# Altium PCB 0.PCB1.PcbDoc (part 11 of 12)
Units mm, origin at the board's own origin, x right, y up, seen from the top; angles counter-clockwise.
Board outline 77 x 72 mm, 6 copper layers (Top Layer, Layer 1, Layer 3, Layer 4, Layer 2, Bottom Layer), stack 1.538 mm thick; 570 components, 490 nets, 3331 pads, 1909 vias.
Unrouted connection lines stored in the file: 2.
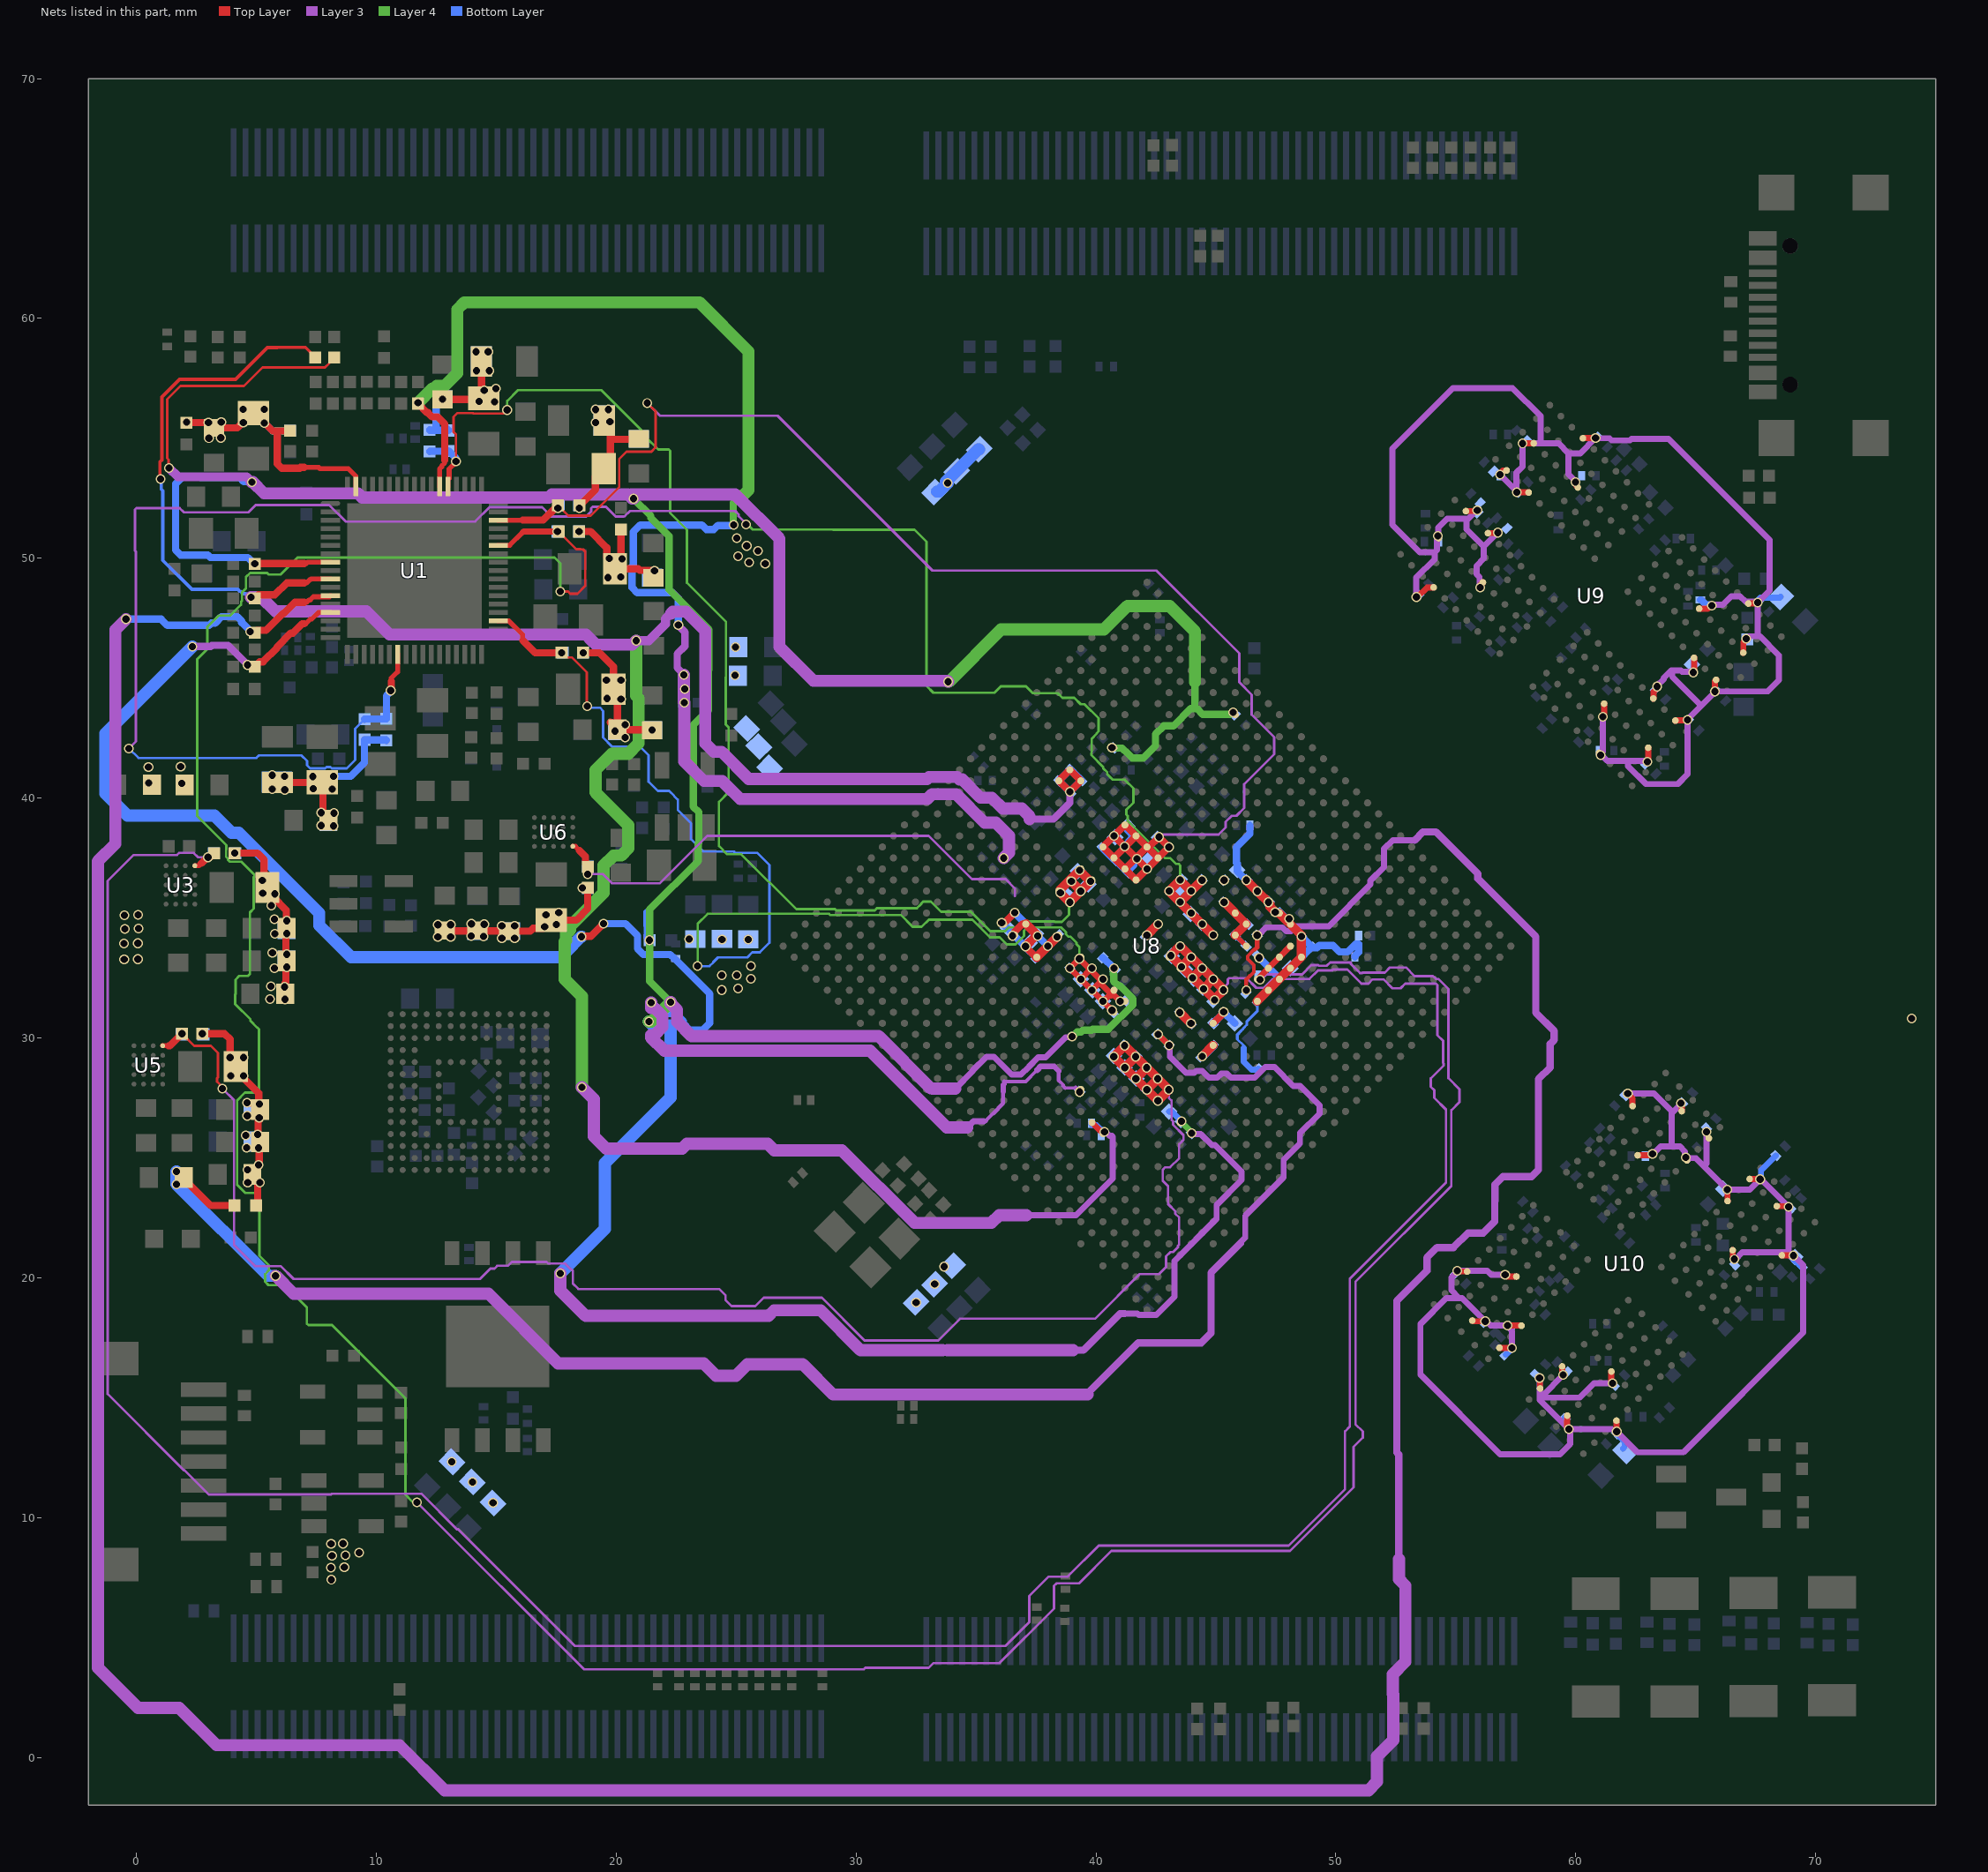
[diagram p15: the nets of this part, all layers, seen from the top]

## Via types
v1: diameter 0.41, hole 0.3, Top Layer to Bottom Layer, tented both sides, 1901 vias
v2: diameter 0.41, hole 0.3, Top Layer to Bottom Layer, 8 vias

## Nets (pads, with @x,y where several pads share a name; then routed paths per layer and width w, separated by ;. In a path a pad name is that pad's centre, name@x,y a point inside that pad or via, vN(x,y) a via of type N, cw(c..) or ccw(c..) an arc to the next point about the centre after c; other vN are vias at no path point) (continued)
VDD_0V75_S0: C36.2 C177.2 C178.2 C222.2 C239.2 C278.2 C279.2 C285.2 C286.2 R65.2 U1.8 U8.AD3 U8.AH10 U8.G24 U8.H24 U8.V20 | length 188.2
  Top Layer w0.102: v1(1.359,53.757) 1.34,53.776 1.34,54.107 1.282,54.165 1.282,56.627 1.836,57.181 4.487,57.181 5.26,57.954 7.859,57.954 8.05,58.145 8.05,58.175 8.181,58.306 R65.2@8.211,58.306
  Top Layer w0.203: 6.993,49.782 7.093,49.782 7.149,49.839 U1.8@8.09,49.839
  Top Layer w0.305: v1(4.936,49.768) 5.019,49.768 5.033,49.782 6.993,49.782
  Layer 3 w0.254: 33.181,27.908 33.199,27.89 ; 34.142,27.89 34.868,28.615 34.868,28.648 35.431,29.212 35.744,29.212 36.49,28.466 36.876,28.466 37.2,28.791 37.2,28.795 37.595,29.189 37.908,29.189 38.747,30.028 v1@38.917,30.028 ; 41.201,18.507 41.731,18.507 41.79,18.448 42.513,18.448 43.271,19.206 43.271,20.696 45.03,22.455 45.03,23.034 46.066,24.07 46.066,24.421 44.965,25.523 44.84,25.523 44.368,25.995 44.025,25.995 v1(43.995,26.025)
  Layer 3 w0.305: 33.109,27.908 33.181,27.908 ; 33.606,16.979 33.814,16.979 ; 39.054,16.979 39.48,16.979 41.007,18.507 41.201,18.507
  Layer 3 w0.381: v1(1.359,53.757) 1.367,53.757 1.727,53.396 4.594,53.396 4.812,53.178 v1(4.82,53.178)
  Layer 3 w0.508: v1(4.82,53.178) 4.848,53.178 5.321,52.705 9.242,52.705 9.413,52.535 17.197,52.535 17.32,52.658 20.491,52.658 20.666,52.483 v1(20.727,52.483) ; v1(17.672,20.181) 17.672,19.465 18.727,18.41 26.349,18.41 26.583,18.644 28.521,18.644 30.185,16.979 33.606,16.979 ; v1@20.647,52.66 24.959,52.66 26.806,50.812 26.806,46.302 28.219,44.89 33.797,44.89 v1(33.837,44.849) ; v1(22.275,31.484) 22.275,31.429 22.539,31.166 22.539,30.674 23.141,30.071 30.945,30.071 33.109,27.908 ; 33.199,27.89 34.142,27.89 ; 33.814,16.979 33.845,16.979 33.851,16.973 34.436,16.973 34.443,16.979 39.054,16.979
  Layer 4 w0.254: v1(43.565,26.522) 43.565,26.488 43.995,26.058 v1(43.995,26.025)
  Layer 4 w0.305: v1(20.727,52.483) 21.439,51.771 21.439,51.687 22.207,50.92 22.207,48.69 23.869,47.027 23.869,45.352 23.839,45.322 23.839,43.659 23.215,43.035 23.215,39.646 23.448,39.413 23.448,38.125 23.421,38.098 23.421,37.384 21.392,35.355 v1(21.392,34.075) 21.392,32.367 v1(22.275,31.484) ; v1@38.981,30.106 v1@38.996,30.092 ; v1(39.002,30.057) 39.03,30.057 39.222,30.249 39.387,30.249 39.456,30.318 39.821,30.318 39.865,30.361 40.52,30.361 41.538,31.379 41.538,31.631 40.987,32.182 40.919,32.182 40.74,32.361 40.74,32.628 40.728,32.64 v1@40.728,32.85 ; v1(40.673,42.1) 40.689,42.084 41.092,42.084 41.339,41.837 41.505,41.671 41.984,41.671 42.486,42.172 42.486,42.667 42.828,43.009 43.229,43.009 43.954,43.734 44.207,43.734 44.452,43.489 45.6,43.489 45.687,43.576 v1(45.715,43.576) ; 44.132,43.848 44.132,44.831
  Layer 4 w0.508: v1(21.368,30.681) 21.472,30.681 v1(22.275,31.484) ; v1(33.837,44.849) 33.869,44.849 36.045,47.026 40.334,47.026 41.312,48.004 43.068,48.004 44.132,46.94 44.132,44.831
  Bottom Layer w0.254: C286.2@43.05,26.931 43.156,26.931 v1(43.565,26.522)
  Bottom Layer w0.305: v1(4.82,53.178) 4.8,53.198 4.474,53.198 4.316,53.355 2.67,53.355 2.629,53.396 1.925,53.396 1.633,53.104 1.633,50.339 1.838,50.133 2.977,50.133 3.082,50.029 4.646,50.029 4.907,49.768 v1(4.936,49.768) ; 21.284,35.238 21.284,34.687 21.294,34.677 21.294,34.173 v1(21.392,34.075) ; C177.2@40.288,33.339 40.298,33.349 40.301,33.349 v1(40.749,32.901)
  Bottom Layer w0.508: v1(17.672,20.181) 19.527,22.036 19.527,24.773 22.268,27.515 22.268,30.517 21.533,30.517 v1(21.368,30.681)
VDD_0V75_S3: C21.2 C181.2 C182.2 U1.14 U8.P27 | length 73.3
  Top Layer w0.203: 6.993,47.27 7.065,47.27 7.261,47.466 7.313,47.466 7.586,47.739 U1.14@8.09,47.739
  Top Layer w0.305: v1(4.636,45.551) 4.664,45.524 4.984,45.524 5.143,45.683 5.284,45.683 5.862,46.261 5.862,46.301 6.44,46.879 6.524,46.879 6.914,47.27 6.993,47.27 ; v1(18.561,34.221) 18.581,34.241 18.954,34.241 v1(19.473,34.76)
  Layer 3 w0.142: 35.422,26.556 35.716,26.849 ; 36.174,28.177 37.071,28.177 37.546,28.652 ; 38.452,28.222 38.635,28.04 38.635,27.995 ; 38.718,27.912 39.152,27.912
  Layer 3 w0.158: 38.635,27.995 38.718,27.912
  Layer 3 w0.163: 38.452,28.222 38.452,28.613
  Layer 3 w0.17: 36.174,28.075 36.174,28.177
  Layer 3 w0.173: 35.331,26.523 35.389,26.523 35.422,26.556 ; 35.716,26.849 36.133,27.267 36.133,27.76
  Layer 3 w0.198: 39.152,27.912 v1(39.32,27.744)
  Layer 3 w0.211: 38.252,28.814 38.452,28.613
  Layer 3 w0.213: 36.133,27.76 36.138,27.765 36.138,28.039 36.174,28.075
  Layer 3 w0.254: 34.64,26.266 34.896,26.523 35.331,26.523 ; 37.546,28.652 37.708,28.814 38.252,28.814
  Layer 3 w0.305: v1(2.33,46.315) 2.336,46.321 3.097,46.321 3.145,46.369 3.824,46.369 4.636,45.557 v1(4.636,45.551)
  Layer 3 w0.508: v1(21.46,31.471) 21.45,31.461 21.45,31.242 21.601,31.242 21.929,30.913 21.929,30.449 21.601,30.12 21.45,30.12 21.45,30.021 22.008,29.462 30.586,29.462 33.781,26.266 34.64,26.266
  Bottom Layer w0.305: v1(19.473,34.76) 20.387,34.76 20.888,34.26 20.888,33.72 21.13,33.478 22.255,33.478 22.427,33.306 23.901,31.832 23.901,30.618 23.602,30.319 23.085,30.319 22.804,30.6 22.804,30.7 22.479,31.025 21.935,31.025 21.488,31.471 v1(21.46,31.471) ; v1(39.32,27.744) 39.375,27.744 C181.2@39.375,27.799
  Bottom Layer w0.508: v1(2.33,46.315) -1.29,42.695 -1.29,40.187 -0.378,39.274 3.248,39.274 3.969,38.552 4.273,38.552 7.622,35.203 7.622,34.694 8.953,33.363 17.683,33.363 17.922,33.603 18.54,34.221 v1(18.561,34.221)
VDD_CPU_BIG0_S0: C71.1 C71.2 C72.2 C73.2 C74.2 C75.2 C76.2 C113.2 C114.2 C115.2 C116.2 C117.2 C118.2 C119.2 C120.2 C121.2 C123.2 C124.2 L11.2 R20.1 R20.2 U3.A4 U8.M16 U8.M17 U8.M19 U8.N16 U8.N17 U8.N19 U8.P16 U8.P17 U8.R16 U8.R17 U8.T16 U8.T17 | length 136.3
  Top Layer w0.203: U3.A4@2.437,37.176 2.602,37.176 2.711,37.284
  Top Layer w0.305: 2.711,37.284 2.956,37.529 v1(2.984,37.529) 3.004,37.549 3.09,37.549 R20.2@3.244,37.703 ; v1(4.094,37.703) 5.047,37.703 5.327,37.424 5.327,36.636 v1(5.251,36.56) ; v1(5.625,35.517) L11.2@5.625,35.969 ; v1(5.778,36.005) 5.778,35.972 5.69,35.884 6.252,35.323 6.252,34.887 C75.2@6.255,34.884 ; v1(6.171,32.126) 6.171,31.868 C73.2@6.204,31.836 C73.2@6.204,32.175 ; C73.2@6.192,32.175 6.192,32.287 6.23,32.325 C74.2@6.23,32.953 ; v1(6.272,32.953) C74.2@6.23,32.953 ; v1(6.272,33.487) C74.2@6.23,33.487 ; v1(6.272,34.884) C75.2@6.255,34.884 ; v1(6.275,34.35) C75.2@6.23,34.35 ; C74.2@6.23,32.953 C74.2@6.23,33.487 ; C74.2@6.23,33.487 C75.2@6.23,34.35 ; C75.2@6.23,34.35 6.23,34.553 C75.2@6.255,34.579 C75.2@6.255,34.884
  Top Layer w0.381: v1(43.5,31.055) 43.954,30.602 v1(43.966,30.602) ; v1(43.571,32.963) 43.571,32.967 U8.R17@43.578,32.974 ; v1(44.03,32.504) U8.P17@44.04,32.513 ; v1(44.431,32.908) v1(43.972,33.368) ; v1(44.49,32.044) 44.49,32.048 U8.N17@44.498,32.055 ; v1(44.891,32.448) v1(44.431,32.908) 44.223,32.7 44.223,32.696 U8.P17@44.04,32.513 ; v1(44.946,31.581) U8.M17@44.946,31.606 ; U8.R17@43.578,32.974 U8.P17@44.04,32.513 ; U8.R17@43.578,32.974 v1(43.972,33.368) ; U8.R17@43.578,32.974 v1(43.12,33.432) 43.12,33.435 v1(43.512,33.827) v1(43.972,33.368) ; U8.P17@44.04,32.513 U8.N17@44.497,32.055 ; U8.N17@44.498,32.055 U8.M17@44.946,31.606 ; U8.N17@44.498,32.055 v1(44.891,32.448) 45.321,32.019 v1(45.321,31.993) 44.946,31.618 U8.M17@44.946,31.606
  Layer 3 w0.102: v1(2.984,37.529) 2.571,37.529 2.387,37.713 1.779,37.713 1.692,37.625 -0.12,37.625 -1.197,36.548 -1.197,15.151 1.975,11.979 1.998,11.979 3.012,10.966 8.122,10.966 8.15,10.993 11.541,10.993 11.543,10.995 11.839,10.995 11.841,10.993 11.875,10.993 13.359,9.509 13.416,9.509 18.279,4.646 36.232,4.646 37.226,5.64 37.226,6.735 38.028,7.537 38.821,7.537 40.118,8.834 48.032,8.834 50.385,11.187 50.385,13.599 50.584,13.798 50.584,19.959 54.595,23.97 54.595,27.013 54.103,27.504 54.103,27.821 53.962,27.963 53.962,28.314 54.49,28.842 54.49,28.937 54.475,28.953 54.475,29.881 54.238,30.117 54.238,32.206 54.179,32.266 52.895,32.266 52.699,32.07 52.354,32.07 51.985,32.439 51.538,32.439 51.363,32.263 51.066,32.263 50.482,32.847 49.886,32.847 49.855,32.817 49.259,32.817 48.902,32.459 47.383,32.459 47.01,32.086 46.687,32.086 46.278,32.495 45.563,32.495 45.503,32.435 45.503,32.259 v1@45.317,32.073
  other v1: 14.865,10.612 14.008,11.48 13.15,12.324 5.567,31.618 6.191,31.609 5.605,32.149 5.757,32.901 -0.511,33.273 0.063,33.285 5.669,33.549 -0.514,33.932 0.06,33.944 5.775,34.339 -0.486,34.544 0.088,34.556 5.755,34.953 -0.504,35.116 0.07,35.128 5.269,36.027
VDD_CPU_BIG1_MEM_S0: C88.2 C144.2 C145.2 FB1.2 U8.M21 U8.N21 | length 71.9
  Top Layer w0.254: v1(42.59,30.144) 42.595,30.144 43.049,29.689 v1(43.049,29.684)
  Top Layer w0.305: C88.2@2.192,23.912 3.094,23.01 FB1.2@4.091,23.01
  Layer 3 w0.254: v1(43.049,29.684) 43.079,29.654 43.079,29.224 43.438,28.865 43.438,28.862 43.758,28.542 44.106,28.542 44.181,28.618 44.434,28.618 44.71,28.341 45.061,28.341 45.239,28.519 45.45,28.519 45.629,28.34 46.616,28.34 47.059,28.782 47.443,28.782 48.229,27.996 48.51,27.996 49.32,27.186 49.32,26.835 48.506,26.02 48.506,25.593 47.825,24.913 47.825,24.179 46.225,22.578 46.225,21.667 46.022,21.463 46.022,21.428
  Layer 3 w0.305: 39.654,15.126 39.654,15.172 41.765,17.283 44.398,17.283 44.802,17.686 44.802,20.209 46.022,21.428
  Layer 3 w0.508: v1(5.802,20.079) 6.553,19.327 14.683,19.327 17.584,16.427 23.644,16.427 24.162,15.908 24.988,15.908 25.473,16.394 27.78,16.394 29.048,15.126 39.654,15.126
  Layer 4 w0.254: v1(42.59,30.144) v1(43.049,29.684)
  Bottom Layer w0.508: v1(1.671,24.433) v1(1.671,23.899) 5.491,20.079 v1(5.802,20.079)
VDD_CPU_BIG1_S0: C82.1 C82.2 C83.2 C84.2 C85.2 C86.2 C87.2 C134.2 C135.2 C136.2 C137.2 C138.2 C139.2 C140.2 C141.2 C142.2 C143.2 FB1.1 L12.2 R24.1 R24.2 U5.A4 U8.K23 U8.K24 U8.L23 U8.L24 U8.M23 U8.M24 U8.N23 U8.N24 U8.P23 U8.P24 | length 80
  Top Layer w0.102: v1(1.899,30.173) 2.405,29.668 3.108,29.668 3.4,29.375 3.4,28.354 3.367,28.321 3.367,28.171 3.586,27.953 v1(3.586,27.884)
  Top Layer w0.203: U5.A4@1.099,29.671 1.34,29.671
  Top Layer w0.305: 1.34,29.671 1.398,29.671 v1(1.899,30.173) ; v1(2.749,30.173) 3.677,30.173 3.906,29.944 v1(3.906,29.182) ; v1(4.465,28.42) 4.492,28.393 4.492,28.304 5.098,27.698 5.098,27.269 v1(5.122,27.244) ; v1(4.614,27.297) 4.634,27.277 5.09,27.277 v1(5.122,27.244) ; FB1.1@4.991,23.01 5.052,23.071 C87.2@5.052,23.973 ; v1(5.054,25.969) C84.2@5.069,25.954 ; v1@5.09,24.731 5.115,24.756 5.115,25.391 5.092,25.413 v1(5.089,25.413) 5.089,25.62 C84.2@5.143,25.673 ; v1(5.095,24.707) 5.074,24.687 5.074,24.596 C87.2@4.834,24.356 ; v1(5.144,23.973) 5.117,23.973 4.834,24.256 C87.2@4.834,24.306 ; C84.2@5.153,25.663 5.153,25.871 C84.2@5.069,25.954 ; C87.2@4.834,24.306 C87.2@4.834,24.356 ; C87.2@4.834,24.306 C87.2@4.834,24.356 ; C84.2@5.069,25.954 5.074,25.959 5.074,26.52 5.097,26.543 5.097,26.65 5.135,26.688 5.135,27.232 v1(5.122,27.244)
  Top Layer w0.381: v1(42.12,28.759) v1(41.661,29.218) ; v1(42.58,28.299) v1(42.12,28.759) 41.663,28.301 v1(41.663,28.3) ; v1(43.04,27.839) 42.582,27.382 v1(42.582,27.38) v1(42.122,27.84) ; v1(43.04,27.839) v1(42.58,28.299) 42.122,27.841 v1(42.122,27.84) ; v1(41.203,28.759) v1(40.744,29.219) 40.744,29.22 v1(41.201,29.678) v1(41.661,29.218) ; v1(41.203,28.759) v1(41.663,28.3) ; v1(41.203,28.759) 41.203,28.761 v1(41.661,29.218) ; v1(41.663,28.3) v1(42.122,27.84)
  Layer 3 w0.102: v1(3.586,27.884) 4.073,27.397 4.073,21.362 4.95,20.485 6.014,20.485 6.552,19.947 14.327,19.947 14.758,20.378 14.926,20.378 15.045,20.497 15.487,20.497 15.651,20.661 17.101,20.661 17.174,20.588 17.878,20.588 18.12,20.346 18.136,20.346 18.196,20.286 18.196,19.754 18.421,19.529 24.298,19.529 24.556,19.271 24.556,19.075 24.814,18.817 25.798,18.817 26.149,19.167 28.572,19.167 30.354,17.385 33.43,17.385 34.336,18.291 39.966,18.291 41.824,20.149 42.632,20.149 42.928,20.445 42.928,20.889 43.108,21.07 43.218,21.07 43.421,21.273 43.421,21.334 43.469,21.382 43.469,22.507 43.311,22.665 43.311,22.769 43.007,23.074 43.007,23.82 42.786,24.041 42.786,24.499 42.892,24.605 43.09,24.605 43.47,24.985 43.47,25.574 43.652,25.756 43.652,25.944 43.218,26.378 43.218,26.523 43.151,26.589 43.151,27.393 43.04,27.505 43.04,27.773 v1@43.088,27.821
  other v1: 32.505,18.97 33.28,19.733 33.672,20.463 4.642,23.973 4.637,24.504 4.59,25.424 4.555,25.932 5.117,26.67 4.625,26.756 3.931,28.42 4.465,29.182
VDD_CPU_LIT_S0: C26.1 C26.2 C27.2 C28.2 C29.2 C30.2 C154.2 C155.2 C156.2 C157.2 C158.2 C159.2 C160.2 C168.2 C169.2 L4.2 R4.1 R4.2 U1.37 U8.T21 U8.T22 U8.U21 U8.U22 U8.V21 U8.V22 U8.W21 U8.W22 U8.Y21 U8.Y22 | length 58.4
  Top Layer w0.102: v1(17.726,46.06) 17.925,45.86 18.162,45.86 18.775,45.248 18.775,43.844 v1(18.792,43.827)
  Top Layer w0.203: U1.37@15.091,47.389 15.528,47.389 16.101,46.816 16.101,46.585 16.112,46.574
  Top Layer w0.254: v1(39.374,32.446) 39.374,32.449 U8.W21@39.769,32.843 ; v1(39.832,32.902) 39.827,32.902 U8.W21@39.769,32.843 ; v1(39.834,31.987) 39.834,31.989 U8.V21@40.188,32.343 ; v1(40.292,32.442) 40.287,32.442 U8.V21@40.188,32.343 ; v1(40.294,31.527) 40.304,31.527 40.601,31.824 40.651,31.824 40.679,31.852 v1(41.007,31.524) ; 40.645,31.771 40.645,31.825 40.19,32.28 40.19,32.34 U8.V21@40.188,32.343 ; v1(40.672,31.148) v1(38.915,32.906) 39.309,33.3 v1(39.312,33.3) U8.W21@39.769,32.843 ; U8.W21@39.769,32.843 40.155,32.457 40.155,32.376 U8.V21@40.188,32.343
  Top Layer w0.305: 16.112,46.574 16.626,46.06 v1(17.726,46.06) ; v1(18.626,46.06) 19.308,46.06 19.891,45.476 L4.2@19.891,44.536 20.049,44.378 20.049,43.132 C27.2@19.954,43.037 ; C27.2@19.747,43.158 19.767,43.138 19.82,43.138 19.871,43.087 19.871,43.037 20.061,42.847 21.484,42.847 v1(21.496,42.834)
  Layer 4 w0.102: v1(23.398,32.992) 23.398,34.753 23.819,35.174 27.22,35.174 28.868,35.174 28.918,35.124 31.866,35.124 32.359,34.631 32.737,34.631 33.037,34.93 34.843,34.93 35.58,34.194 35.994,34.194 36.286,33.902 36.654,33.902 37.002,34.25 37.002,34.463 37.147,34.608 38.546,34.608 38.744,34.41 38.744,34.328 38.856,34.217 38.945,34.217 39.194,33.968 39.194,33.909 39.312,33.791 v1(39.312,33.3)
  Bottom Layer w0.102: v1(18.792,43.827) 18.85,43.769 19.322,43.769 19.458,43.632 19.458,42.52 19.834,42.144 20.994,42.144 21.353,41.785 21.353,40.678 21.737,40.295 22.209,40.295 22.267,40.237 22.57,39.934 22.57,39.503 23.118,38.954 23.118,38.288 23.637,37.77 24.909,37.77 24.967,37.712 25.887,37.712 26.39,37.209 26.39,33.967 25.991,33.569 25.678,33.569 25.465,33.356 24.249,33.356 24.045,33.152 ; v1(23.398,32.992) 23.896,32.992 24.051,33.147
  other v1: 24.401,31.997 25.082,32.065 25.62,32.464 24.399,32.611 25.034,32.614 25.618,33.003 20.376,42.524 19.954,42.792 20.374,43.062 20.201,44.129 19.617,44.155 19.591,44.917 20.201,44.917
VDD_DDR_S0: C6.2 C7.2 C8.2 C9.1 C9.2 C201.2 C202.2 C203.2 C206.2 C207.2 C208.2 C209.2 C210.2 C213.2 C214.2 L1.2 R1.1 R1.2 U1.46 U8.L11 U8.L12 U8.L13 U8.L14 U8.L17 U8.L18 U8.N13 U8.P12 U8.P13 U8.R12 U8.T12 U8.U11 | length 161.6
  Top Layer w0.102: R1.2@17.602,51.114 18.34,50.376 18.518,50.376 18.527,50.367 18.62,50.367 18.71,50.278 18.71,48.852 18.382,48.525 18.081,48.525 17.997,48.608 v1(17.673,48.608)
  Top Layer w0.203: U1.46@15.091,50.539 15.564,50.539 16.112,51.086 ; U8.P13@45.807,34.285 U8.N13@46.267,33.825
  Top Layer w0.254: 16.112,51.086 16.139,51.114 R1.2@17.602,51.114 ; v1(46.838,32.433) 46.827,32.445 46.724,32.445 U8.L14@46.726,32.447 U8.L12@47.646,33.366 48.096,33.816 U8.L11@48.099,33.816
  Top Layer w0.305: v1(18.452,51.114) 18.935,51.114 19.61,50.44 19.61,50.062 L1.2@19.697,49.975 ; v1(19.718,49.997) 19.957,49.758 L1.2@19.957,49.565 20.914,49.565 20.981,49.499 21.58,49.499 v1(21.6,49.478) ; C8.2@20.201,51.198 20.201,50.022 v1(20.252,49.971) ; C7.2@21.547,49.182 21.562,49.196 21.562,49.482 C7.2@21.577,49.497 ; U8.L18@44.888,30.608 45.327,31.047 v1(45.327,31.091)
  Top Layer w0.381: v1(45.344,35.655) 45.357,35.655 U8.P12@46.267,34.745 U8.P13@45.807,34.285
  Layer 3 w0.102: v1(11.691,10.638) 18.656,3.673 30.332,3.673 30.39,3.732 33.029,3.732 33.23,3.932 35.981,3.932 38.252,6.203 38.252,7.153 38.353,7.255 39.291,7.255 40.642,8.606 48.092,8.606 50.743,11.258 50.743,12.952 50.886,13.095 50.891,13.095 51.127,13.33 51.127,13.587 50.82,13.894 50.82,19.83 54.818,23.828 54.818,26.985 55.155,27.323 55.155,27.857 54.693,28.319 54.693,32.035 54.269,32.459 54.177,32.459 54.119,32.517 54.11,32.517 54.052,32.576 53.286,32.576 52.925,32.937 52.257,32.937 52.041,32.721 51.117,32.721 51.095,32.699 51.011,32.699 50.629,33.081 50.629,33.142 49.761,33.142 49.629,33.01 49.294,33.01 49.273,33.031 48.976,33.031 48.597,32.652 47.125,32.652 46.914,32.441 v1@46.819,32.441
  Layer 4 w0.102: 4.896,49.388 4.739,49.388 4.566,49.215 4.566,48.743 4.404,48.58 4.404,48.227 4.363,48.187 4.363,48.062 3.912,47.611 3.436,47.611 2.959,47.133 2.959,46.211 2.537,45.789 2.537,39.254 3.751,38.039 3.751,37.865 3.737,37.851 3.737,37.555 3.825,37.467 3.825,37.415 3.893,37.346 4.381,37.346 4.914,36.813 4.914,36.729 4.893,36.708 4.893,35.392 4.734,35.233 4.734,32.665 4.653,32.583 4.289,32.583 4.132,32.426 4.132,31.819 4.122,31.809 4.122,31.407 4.754,30.775 4.754,30.706 5.036,30.424 5.053,30.424 5.112,30.365 5.112,27.869 5.124,27.858 5.124,27.794 5.044,27.714 4.526,27.714 4.198,27.386 4.198,23.879 4.543,23.533 5.071,23.533 5.13,23.474 5.13,20.912 5.521,20.521 5.521,20.3 5.369,20.148 5.369,19.828 5.506,19.69 6.07,19.69 6.104,19.725 6.137,19.725 7.109,18.753 7.109,18.082 7.168,18.022 8.155,18.022 11.213,14.963 11.213,10.955 11.531,10.638 v1(11.691,10.638) ; 4.897,49.389 5.452,49.389 5.521,49.32 6.009,49.32 6.72,50.031 17.436,50.031 17.673,49.794 v1(17.673,48.608)
  Bottom Layer w0.203: v1(45.344,35.655) 45.379,35.62 45.457,35.62 C203.2@46.34,34.736 45.879,34.275 C214.2@45.811,34.275 ; C214.2@45.805,34.281 C214.2@45.811,34.275 ; C213.2@46.265,33.821 C214.2@45.811,34.275
  Bottom Layer w0.254: C9.1@18.431,51.114 C9.1@18.437,51.12
  Bottom Layer w0.305: C207.2@44.883,30.597 45.27,30.984 C206.2@45.27,31.092 ; v1(45.327,31.091) 45.327,31.07 C206.2@45.34,31.056 C201.2@45.722,30.674 ; C201.2@45.722,30.673 C201.2@45.79,30.605
  other v1: 8.131,7.408 8.109,7.907 8.671,7.926 8.153,8.405 8.717,8.424 9.28,8.537 8.116,8.904 8.616,8.914 45.342,36.574 19.654,49.19 20.185,49.225 17.552,51.114
VDD_GPU_S0: C10.1 C10.2 C11.2 C12.2 C13.2 C14.2 C104.2 C105.2 C106.2 C107.2 C108.2 C109.2 C110.2 C111.2 C112.2 C122.2 L2.2 R2.1 R2.2 U1.49 U8.AA12 U8.AA13 U8.AA14 U8.AA15 U8.AB12 U8.AB13 U8.AB14 U8.AB15 U8.AC13 U8.AC14 U8.AC15 U8.AD13 U8.AD14 U8.AD15 | length 77.3
  Top Layer w0.102: v1(17.57,52.092) 17.691,52.092 18.005,51.778 18.943,51.778 20.124,52.959 20.124,54.133 20.434,54.443 21.47,54.443 21.648,54.621 21.648,56.124 v1(21.3,56.472)
  Top Layer w0.203: U1.49@15.091,51.589 16.112,51.589
  Top Layer w0.305: 16.112,51.589 16.959,51.589 C10.2@17.534,52.164 ; v1(17.57,52.092) 17.57,52.128 C10.2@17.534,52.164 ; C10.2@17.57,52.199 C10.2@17.534,52.164 ; v1(18.459,52.093) 18.477,52.111 C10.1@18.477,52.206 19.137,52.867 19.137,53.383 19.762,54.008 19.762,54.972 ; C11.2@19.5,55.737 19.593,55.644 19.7,55.644 v1(19.743,55.687) ; C11.2@19.608,55.629 19.762,55.475 19.762,54.972 ; v1(19.677,56.198) 19.5,56.021 19.5,55.93 C11.2@19.689,55.741 ; C13.2@20.909,54.981 20.888,54.96 19.775,54.96 19.762,54.972 ; v1(40.751,38.418) U8.AC14@41.209,37.96 ; v1(41.192,37.981) U8.AC14@41.211,37.962 ; U8.AD13@41.209,38.877 41.207,38.877 U8.AD14@40.752,38.422 U8.AD15@40.292,37.962 U8.AC15@40.752,37.502 ; U8.AD13@41.211,38.881 U8.AC13@41.671,38.422 U8.AB13@42.13,37.962 ; U8.AC13@41.668,38.418 U8.AC14@41.211,37.962 ; v1(41.711,37.462) U8.AB14@41.67,37.502 ; U8.AC15@40.752,37.502 U8.AC14@41.209,37.96 ; U8.AC15@40.752,37.502 U8.AB15@41.211,37.043 ; U8.AC14@41.209,37.96 U8.AC14@41.211,37.962 ; U8.AB15@41.211,37.043 U8.AB14@41.668,37.5 ; U8.AB15@41.211,37.043 U8.AA15@41.671,36.583 U8.AA14@42.128,37.04 ; U8.AC14@41.211,37.962 U8.AB14@41.67,37.502 ; U8.AB14@41.668,37.5 U8.AB14@41.67,37.502 ; U8.AB14@41.668,37.5 41.709,37.46 U8.AA14@42.128,37.04 ; U8.AB14@41.671,37.502 U8.AB13@42.13,37.962 ; U8.AA14@42.128,37.04 v1(42.129,37.039) 42.587,37.498 U8.AA13@42.586,37.499 ; U8.AA14@42.128,37.04 U8.AA14@42.13,37.043 U8.AA13@42.586,37.499 ; U8.AB13@42.13,37.962 42.13,37.955 U8.AA13@42.586,37.499 ; U8.AB13@42.13,37.962 42.211,37.962 v1(42.624,38.375) v1(43.046,37.953) 43.041,37.953 U8.AA13@42.586,37.499